# KiCad board MissionOrderFile.kicad_pcb (continued)
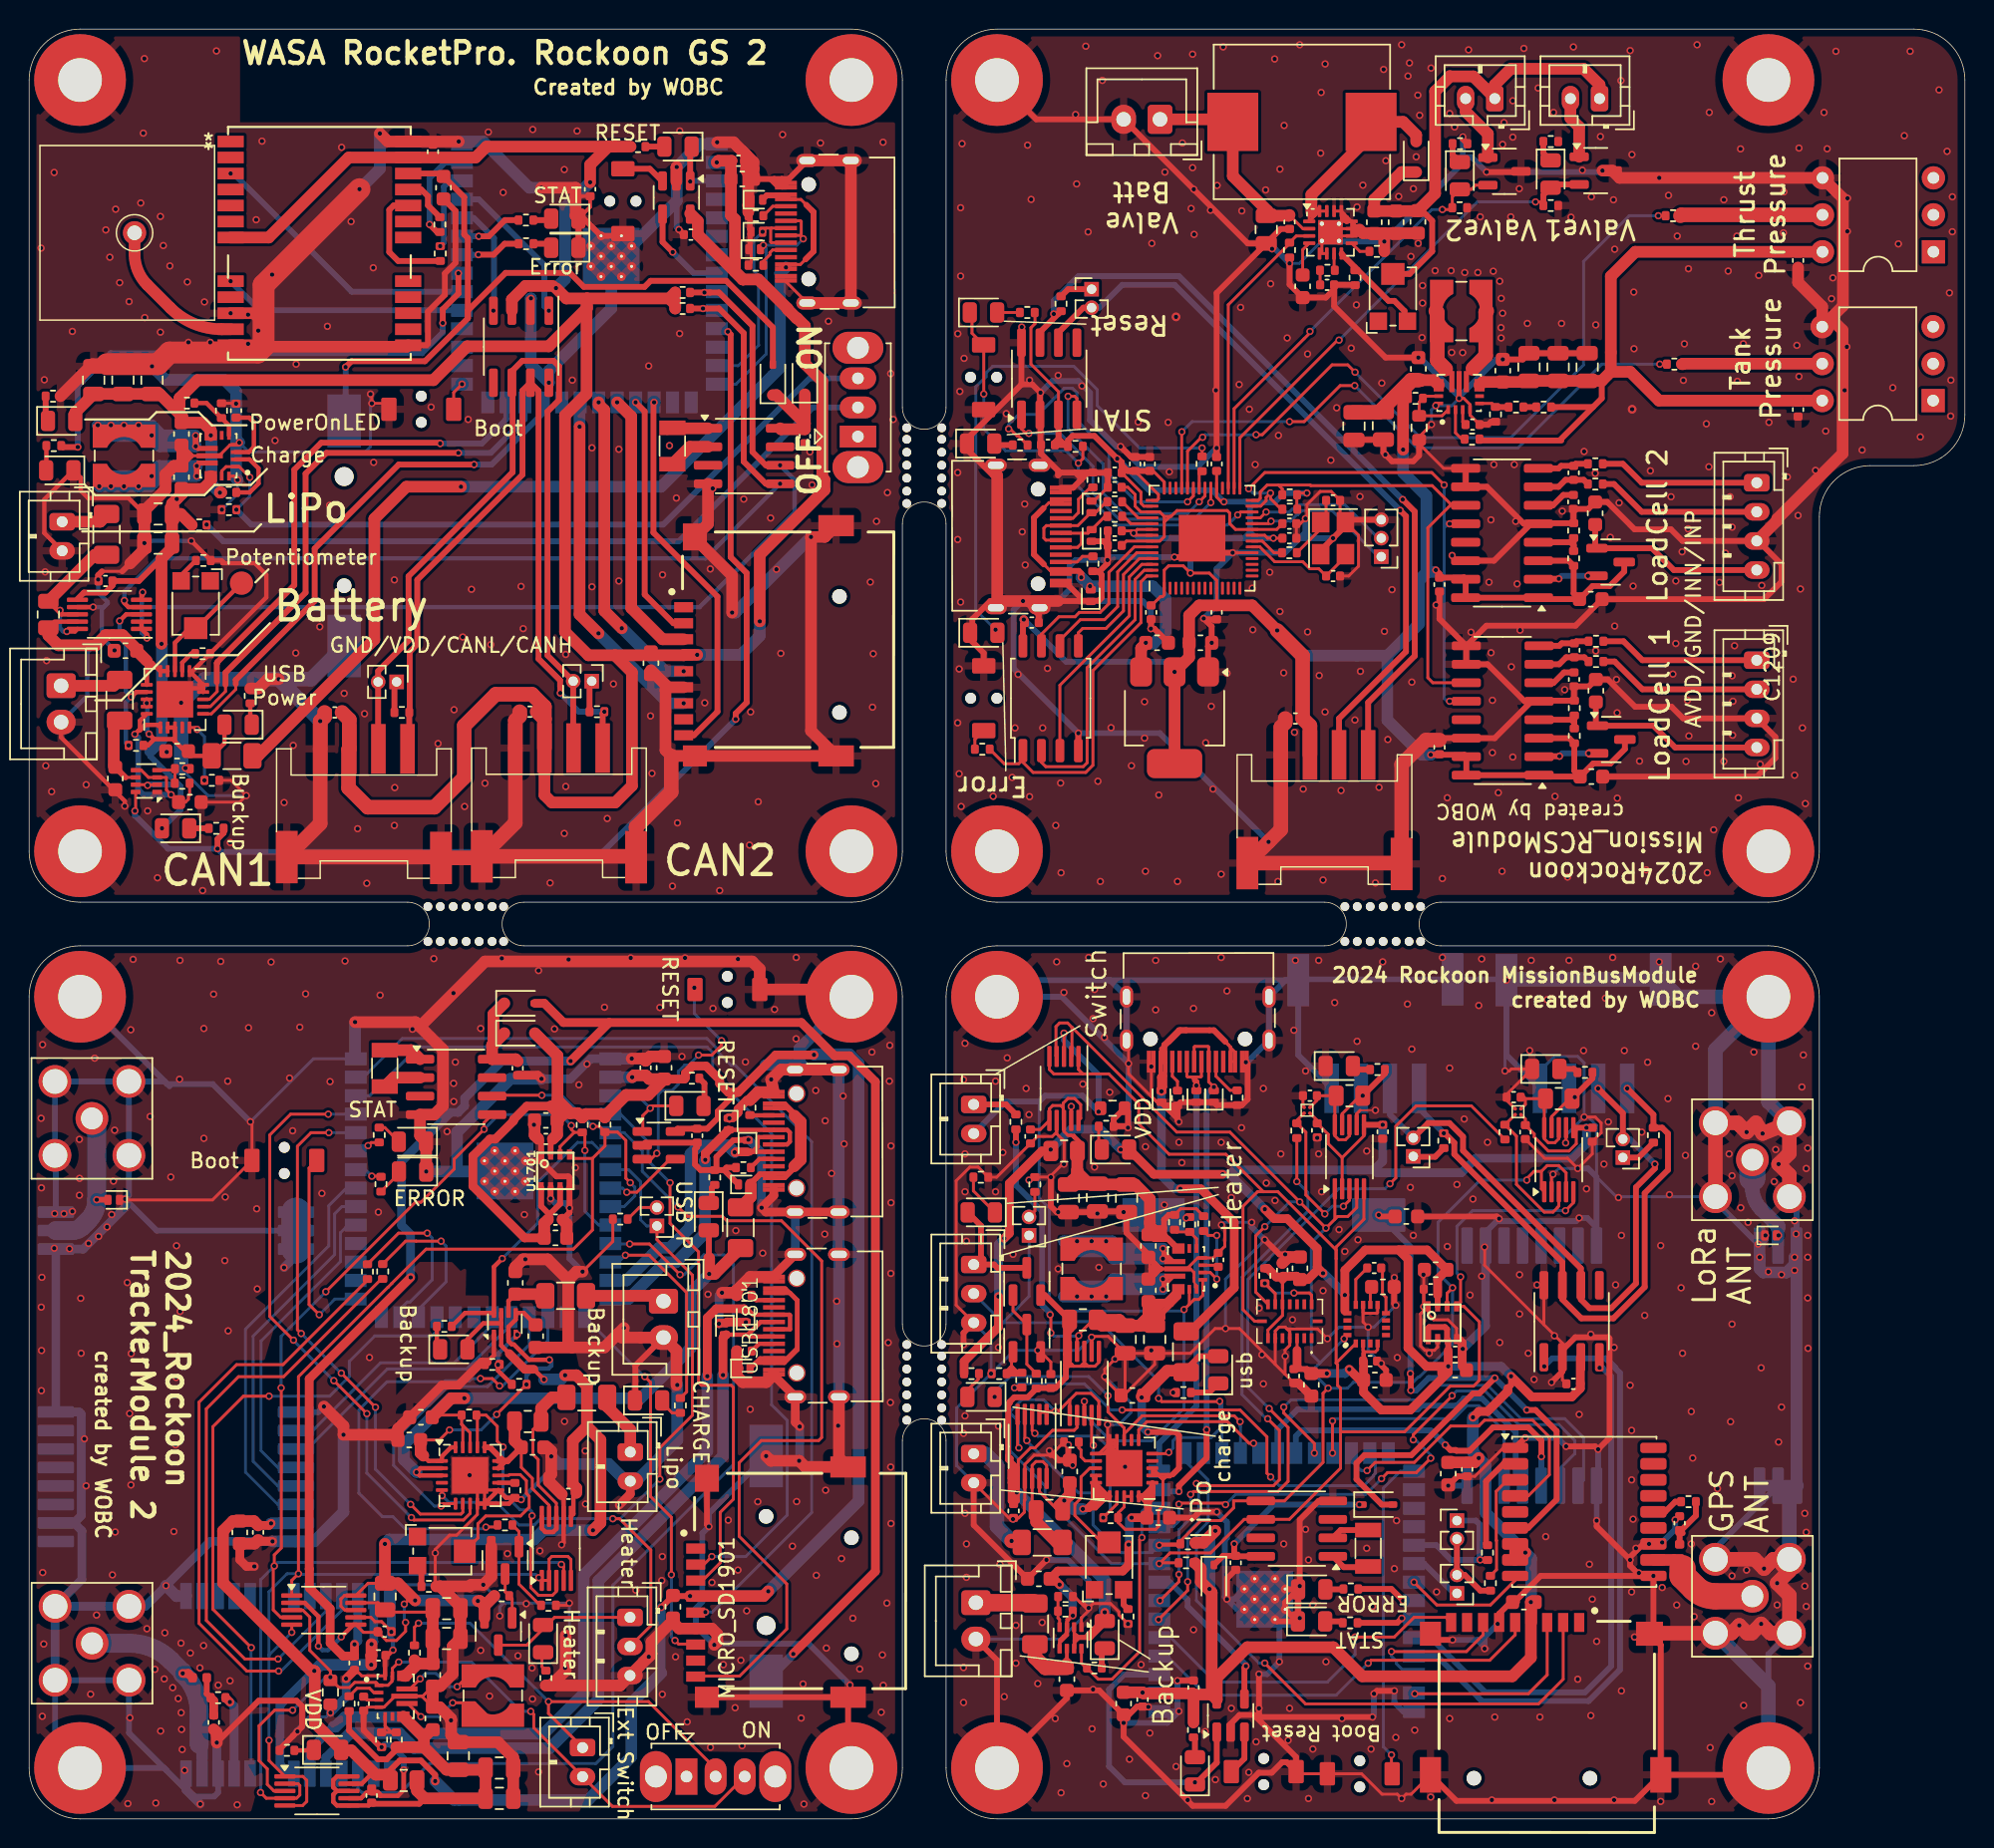
[diagram p0: board, top side]
## Routing (per net, layer and track width the routed paths; a pad name or vN(x,y) marks a point on that pad's centre or on a via; arc(x,y) is an arc through that point) (continued)
VBUS: length 66.8
  Top w0.2: 71.03,90.45 70.07,90.45 69.7,90.09 ; 82.55,53 USB2301.B9 ; 82.55,53 82.84,52.7 USB2301.A4 USB2301.B9 ; 82.55,53 82.55,53.04 ; USB2301.B9 82.55,53.04 ; 82.55,53.04 82.4,53.19 82.4,53.2 82.2,53.4 ; 82.55,53.04 81.39,54.2 81.1,54.2 ; v1(77.8,50) 78.09,50.3 78.09,51.99 USB2301.B4 ; 77.8,51 77.84,51 77.89,51.06 77.74,51.06 77.69,51.1 77.69,51.39 77.75,51.44 USB2301.A9 ; USB2301.A9 77.75,52.94 78,53.19 ; USB2301.A9 USB2301.B4 ; USB2301.B4 78.05,53.04 79.1,54.09 79.1,54.2 ; USB2301.B4 78.05,53.14 78.3,53.4 ; 71.26,85.77 70.17,85.77 69.72,86.22
  Top w0.4: 69.72,86.22 69.04,86.89 69.04,89.42 69.7,90.09 ; 78.3,53.4 79.1,54.2 79.5,54.2 ; v1(72.29,85.31) 72.29,85.59 72.11,85.77 71.31,85.77 71.26,85.72 ; 78,52.04 78,53.19 79,54.2 79.5,54.2 ; 79.5,54.2 81.4,54.2 82.2,53.4 ; v1(72.89,84.72) 72.89,84.47
  Top w0.6: v1(79.1,43.3) 80.5,43.3 82.8,41 82.8,36.5 79.8,33.5 F2801.1 79.4,33.6 ; v1(77.8,50) 77.8,50.96 77.89,51.06
  Top w0.8: 76.72,80.78 76.4,80.45 U801.3
  Bottom w0.4: 77.7,49.9 v1(77.8,50)
  Bottom w0.6: v1(79.1,43.3) 78.7,43.3 77.8,44.2 v1(77.8,50)
  Bottom w0.8: v1(76.72,80.83) 76.72,80.78 77.25,80.78 78.09,81.61 78.09,83.81 77.19,84.72 v1(72.89,84.72) v1(72.29,85.31)
VCCRF: length 5.5
  Top w0.6: v1(13.8,8.03) R1803.1
  Bottom w0.6: U1801.9 14.09,7.74 v1(13.8,8.03)
VDD: length 890
  Top w0.2: 101.4,18.9 U2601.7 ; v1(87.79,91.12) 87.24,91.12 87.1,90.97 87.1,90.02 ; 102.53,48.38 102.8,48.1 C2701.2 103.41,47.07 103.41,46.87 104.38,45.9 105.8,45.9 106.3,46.4 106.3,47.3 U2702.6 ; 96.78,36.39 C3003.1 ; U903.43 77.49,90.62 77.59,90.72 77.59,91.02 75.99,92.62 C908.1 ; C914.1 77.23,92.63 77.99,91.88 U903.42 ; 91.75,32.1 91.75,31.55 91.69,31.49 91.69,30.9 91.66,30.93 91.66,31.9 ; 91.75,32.1 91.66,32.01 ; 91.75,32.1 91.65,32.2 U3102.2 91.65,31.47 C3107.1 91.66,32.01 ; 91.75,32.1 92.5,32.1 92.65,32.25 U3102.4 ; C3101.1 87.22,30.92 ; C3101.1 87.11,31.13 ; C3101.1 86.9,31.08 87.11,31.3 ; U3102.13 90.4,34.92 ; C3102.1 86.11,37.22 86.11,36.5 ; 86.11,36.82 85.7,37.24 ; 86.11,36.82 86.11,36.5 ; 86.11,36.82 86.12,36.82 86.6,37.3 ; 91.69,31.43 91.74,31.48 91.74,31.82 91.66,31.9 ; C909.2 75.07,92.5 76.39,91.18 76.39,90.41 76.59,90.22 U903.44 ; 86.11,36.5 86.11,34.6 85.11,33.6 U3101.7 ; 91.66,32.01 91.66,31.9 ; C911.1 U903.33 81.59,90.84 81.92,90.52 v1(82.09,90.52) ; C912.1 U903.10 81.59,85.11 81.08,85.61 v1(79.79,85.61) 79.29,86.11 78.29,86.11 77.99,85.81 U903.1 77.99,84.11 77.87,84 77.72,84 77.19,83.46 77.19,83.39 ; U903.48 76.14,88.61 v1(75.89,88.36) ; 87.11,31.3 U3101.3 ; 87.11,31.3 87.81,30.61 C3103.1 ; 69.11,103.52 69.11,102.76 68.83,102.48 68.83,99.97 70.72,98.08 70.72,97.23 ; v1(75.89,88.36) 76.04,88.22 U903.49 ; v1(75.89,88.36) 75.74,88.52 C910.1 ; 39.56,48.42 R2105.1 ; U2402.2 90.21,45.44 ; 90.21,45.44 91.71,46.94 U2402.6 ; 90.21,45.44 89.26,46.39 89.26,47.04 C2401.2 88.5,48 88.03,48.47 ; C913.1 v1(85.49,88.02) 85.09,88.02 84.89,88.22 U903.22 ; v1(71.6,48.96) U2806.9
  Top w0.3: U1606.9 22.85,2.42 23.63,3.2
  Top w0.4: 70.72,94.85 70.72,96.5 U901.3 ; 70.72,94.85 71.16,94.41 71.38,94.41 ; 70.72,94.85 70.48,94.6 C901.2 70.49,94.41 71.38,94.41 ; 35.84,41.33 C1702.1 ; C1702.1 35.69,41.47 36.48,42.27 U1701.6 ; C1702.1 35.69,41.6 35.18,42.11 U1701.8 ; U1301.3 105.81,74.27 R1303.1 106.16,72.03 C1304.1 ; 75.07,93.23 C909.2 ; 75.07,93.23 74.82,93.48 v1(74.76,93.48) 73.2,95.05 71.69,95.05 71.38,94.73 71.38,94.41 ; 75.07,93.23 75.07,93.03 75.47,92.63 75.67,92.63 ; 48.62,49.93 47.31,48.63 47.31,48.16 46.58,47.43 44.56,47.43 44.36,47.24 ; 91.69,31.43 C3107.1 ; 94.6,98.03 C1203.1 ; 75.67,92.63 C908.1 ; 75.67,92.63 C914.1 ; 24.52,3.04 24.52,3.07 25.47,4.01 26.91,4.01 27.9,3.03 v2(27.9,2.6) ; U1701.2 35.83,46.58 C1703.1 ; U902.8 68.28,82.08 C902.2 68.41,82.36 v2(68.34,82.42) ; v1(93,47.7) 91.76,47.7 ; v1(101.82,30.42) 101.82,29.8 101.6,29.58 ; C1304.1 107.47,72.53 108.65,72.53 109.64,73.53 Q1301.3 ; C1304.1 103.84,71.63 U1301.1 U1301.16 U1301.15 98.62,73.13 v1(96.3,73.13) ; v1(107,47.5) 106.15,47.5 ; LED2805.2 v1(75,46) ; v1(43.43,14.53) 44.22,15.31 v1(45.41,15.31) ; C1404.1 107.42,84.72 108.6,84.72 109.59,85.72 Q1401.3 ; C1404.1 103.8,83.83 103.7,83.92 98.7,83.92 U1401.15 ; C1404.1 106.12,84.22 R1403.1 105.77,86.47 U1401.3 ; U1401.15 98.57,85.33 ; U1401.15 98.59,85.31 C1405.1 96.9,85.58 v1(96.65,85.83) ; 92.7,9.9 92.8,9.8 ; C3002.1 97.5,32.9 U3001.6 97.42,33.65 97.28,33.8 96.2,33.8 96.12,33.72 U3001.8 ; 96.78,35.22 96.78,36.39 ; C3101.1 87.8,30.92 C3103.1 ; 88.5,37.9 88.5,37.71 ; 106.58,31.69 106.62,31.72 ; R3101.2 84.96,37.83
  Top w0.6: LED2805.2 77.28,44.3 v1(82,44.3) ; v1(97.5,31.1) 97.5,30.7 94.9,28.1 92.9,28.1 91.69,29.31 C3108.1 ; v1(97.5,31.1) 96,31.1 94.74,32.36 94.74,38.46 94.1,39.1 94.5,39.1 ; v1(97.5,31.1) C3002.1 ; v1(53.92,52.51) 53.92,52.5 51.3,52.5 48.72,49.93 48.04,49.93 47.44,50.53 47.44,50.8 46.51,51.74 45.59,51.74 45.08,51.24 45.08,50.92 45.01,50.84 C2102.2 ; v1(66.6,35.9) 66.6,33.8 64.24,31.44 R2802.2 ; 94.5,39.1 91.8,39.1 90.4,37.7 v1(90.4,36) 90.4,34.92 ; 94.5,39.1 96.06,39.1 C3004.1 96.78,37.1 96.78,36 ; v1(88.9,37.5) 88.5,37.9 88.5,39.2 86.45,41.25 85.55,41.25 v1(84.9,41.9) ; 23.56,12.02 23.53,12.02 v1(23.52,12.01) ; R2821.2 69.58,45.9 67.34,43.67 67.34,40.25 v1(67,39.9) ; 87.11,31.13 87.11,32.2 ; v1(90.7,30.9) 91.44,30.16 C3108.1 ; C2002.1 16.48,20.17 v1(16.62,20.31) ; v1(101.82,30.42) 103.24,29 105.99,29 106.58,29.59 C2302.2 106.58,31.69 ; 91.69,31.43 C3108.1 ; 101.6,29.58 101.6,29.4 100.2,28 99.6,28 v1(99.2,27.6) ; C1704.1 34.05,39.93 30.49,43.48 30.49,45.55 31.66,46.72 32.03,46.72 33.28,47.97 33.28,48.07 34.2,48.98 35.88,48.98 ; v1(89.16,30.61) C3103.1 ; 84.96,37.83 85.1,37.83 85.7,37.24 C3102.1 86.16,37.3 87.08,37.3 C3104.1 87.86,37.06 88.5,37.71
  Top w0.8: v1(36.2,105.2) 36.91,104.49 38.33,104.49 ; C2002.1 15.44,20.47 C2001.1 14,20.47 13.33,19.79 13.33,16.22 19.38,10.17 v1(19.59,10.17) 19.62,10.14 19.62,6.59 21.51,4.71 22.14,4.71 23.81,3.04 24.52,3.04 24.82,2.74 R1621.2 ; 38.33,104.49 38.33,103.83 35.7,101.2 30.1,101.2 27.77,98.88 11.57,98.88 10.34,97.64 R615.2 10.34,96.56 ; 38.33,104.49 43.98,104.49 ; 38.33,104.49 38.3,104.45 38.3,97.93 36.82,96.45 36.82,81.58 38.43,79.97 40.25,79.97 ; R203.1 40.22,114.92 ; 40.22,114.92 31.43,114.92 30.68,114.17 21.96,114.17 16.46,108.67 U301.7 ; 40.22,114.92 39.8,114.92 38.55,113.67 v1(38.55,112.47) ; C1704.1 35.39,40.93 35.64,41.18 ; 49.08,105.8 49.03,105.8 45.94,108.88 45.94,109.8 45.42,110.33 ; 49.08,105.8 49.04,105.8 48.5,106.34 48.5,109.92 48.22,110.2 C203.2 48.22,113.91 C204.1 47.36,113.95 v1(47.25,113.84) ; 49.08,105.8 50.11,105.8 52.11,103.79 52.11,103.75 52.73,103.13 52.77,103.13 53.3,102.6 D702.2 54.5,98.81 54.5,92.18 54.64,92.03 54.64,91.32 50.2,86.88 v2(50.2,82.3) ; 94.6,98.03 94.4,97.83 v1(94.4,94.1) ; v1(85.75,81.67) 84.03,83.39 C912.1 80.39,83.39 79.7,82.7 C802.1 79.7,79.83 v2(78.7,78.83) U801.2 ; v2(45.9,80) 45,80 MICRO_SD701.4 40.25,79.97 ; 81.25,8.55 81.6,8.2 81.6,9.7 83.7,11.8 89.6,11.8 91.6,9.8 101.9,9.8 103.18,11.08 v1(103.18,14.9) 103.2,14.88 MICRO_SD2501.4 ; 81.25,8.55 C2301.2 ; 81.25,8.55 81.25,15.55 80.5,16.3 80.5,17.2 80.12,17.58 ; C1203.1 96.5,98.88 U1201.12_13 ; 10.34,96.56 10.52,96.38 10.52,95.95 11.96,95.95 12.48,95.43 v1(12.48,95.08) ; 10.34,96.56 8.98,97.92 C611.1 3.17,96.66 LED604.2 ; C1701.1 36.78,48.5 37.2,48.5 ; C1701.1 36.28,48.58 35.88,48.98 ; C1701.1 36.28,47.03 C1703.1 ; C2303.2 76.48,8.7 v1(76.5,8.68) 76.55,8.63 79.92,8.63 C2301.2 ; U2601.7 U2601.8 102.6,18.3 v1(102.8,18.3) ; v1(13.11,91.14) 13.13,91.16 R613.1 ; v1(99.6,24.8) 99.3,24.5 C2902.1 C2901.1 ; J502.3 35.41,70.36 35.92,69.85 40.27,69.85 41.42,71 41.42,78.79 40.25,79.97 ; 37.2,48.5 37.69,48.5 38,48.2 R2107.1 38.25,48.44 39.31,48.44 39.53,48.22 R2105.1 39.56,48.3 41.02,49.75 42.53,49.75 C2102.2 42.61,50.84 42.36,51.1 41.56,51.1 v1(41.43,50.97) ; 37.2,48.5 36.31,49.39 36.31,52.44 D1902.2 ; v1(23.52,12.01) 23.52,11.24 23.51,11.22 v1(23.51,10.59) ; 43.98,104.49 44.39,104.08 R207.1 R205.1 43.98,104.49 ; U202.3 33.17,104.42 34.1,105.35 35.97,105.35 ; C2301.2 R2303.1 ; v1(45.41,15.31) 50.46,15.31 v1(50.78,15.64) ; v1(81.5,19.8) 80.68,18.98 80.12,18.98
  Top w1: J1002.3 88,75.12 87.5,75.62 87.5,79.92 v1(85.75,81.67) ; 91.03,96.66 92.74,96.66 94.95,98.88 C1203.1 ; 21.5,76.04 22,75.54 J402.3 21.95,73.48 21.95,70.85 23.27,69.53 27.84,69.53 29.9,71.58 29.9,75.12 32.06,77.29 34.56,77.29 35.41,76.44 35.41,75.59 ; 35.41,75.59 34.91,76.09 ; 35.41,75.59 J502.3
  Bottom w0.2: v1(71.6,48.96) 71.6,47.41 71.59,47.4
  Bottom w0.3: 19.69,10.26 v1(19.59,10.17)
  Bottom w0.4: v1(85.49,88.02) 84.29,88.02 ; 84.29,88.02 83.89,88.42 ; 84.29,88.02 83.19,88.02 ; 78.79,88.02 79.39,88.02 79.79,87.61 ; 78.79,88.02 76.24,88.02 v1(75.89,88.36) 75.84,88.31 ; 78.79,88.02 80.19,88.02 ; 83.89,90.22 84.19,90.52 ; 83.89,90.22 83.89,88.42 ; 83.89,90.22 83.59,90.52 ; 84.19,90.52 84.24,90.47 85.56,90.47 86.21,91.12 v1(87.79,91.12) ; 84.19,90.52 83.59,90.52 ; 83.89,88.42 83.49,88.02 83.19,88.02 ; 79.79,87.61 v1(79.79,85.61) ; 79.79,87.61 80.19,88.02 ; 83.19,88.02 80.19,88.02 ; v1(90.4,36) 90.4,36.05 ; 83.59,90.52 v1(82.09,90.52) 81.29,91.31 76.93,91.31 v1(74.76,93.48) ; v2(78.7,78.83) 78,79.53 71.24,79.53 v2(68.34,82.42)
  Bottom w0.6: 92.4,44.6 82.8,44.6 82.5,44.3 ; 92.4,44.6 93,45.2 v1(93,47.7) ; 92.4,44.6 92.6,44.4 98.4,44.4 99.4,45.4 106,45.4 107,46.4 v1(107,47.5) ; v1(66.6,35.9) 66.6,39.5 v1(67,39.9) ; v1(23.52,12.01) 23.69,12.17 U1801.23 ; 90.4,36.05 88.95,37.5 v1(88.9,37.5) ; v1(43.43,14.53) 43.42,14.52 43.42,10.04 43.44,10.03 ; 82.5,44.3 v1(82,44.3) ; 82.5,44.3 v1(84.9,41.9) ; v1(89.16,30.61) 90.41,30.61 v1(90.7,30.9) ; v1(70.19,46) 71.59,47.4 73.6,47.4 v1(75,46) ; U1801.7 17.86,3.11 17.23,3.74 17.23,7.81 v1(19.59,10.17) ; v1(101.82,30.42) 101.14,31.1 v1(97.5,31.1)
  Bottom w0.8: v1(53.92,52.51) 53.96,52.55 56.36,52.55 56.99,51.91 56.99,21.84 v1(50.78,15.64) ; v1(96.3,73.13) 95.69,73.13 93.32,75.5 93.32,79.94 ; v1(41.43,50.97) U2102.2 ; v1(12.48,95.08) 12.52,95.04 12.52,91.73 v1(13.11,91.14) ; v2(50.2,82.3) 50.2,81.3 48.9,80 v2(45.9,80) ; v1(23.51,10.59) 20.02,10.59 v1(19.59,10.17) ; U2303.2 76.53,8.65 v1(76.5,8.68) ; v1(36.2,105.2) 36.82,105.82 36.82,110.75 v1(38.55,112.47) ; 95.7,85.33 96.07,85.69 96.52,85.69 ; 95.7,85.33 96,85.62 96,90.92 94.4,92.53 v1(94.4,94.1) ; 95.7,85.33 95.5,85.12 95.5,82.12 93.32,79.94 ; v1(85.75,81.67) 87.48,79.94 93.32,79.94 ; v1(103.18,14.9) 103.2,14.92 103.2,17.9 v1(102.8,18.3) 100.07,21.03 U2901.10 100.07,24.33 v1(99.6,24.8) 99.2,25.2 v1(99.2,27.6) ; 81.2,15.7 v1(81.1,15.8) 81.1,19.4 v1(81.5,19.8) ; 43.44,10.03 41.36,7.96 41.36,4.26 38.41,1.3 29.2,1.3 v2(27.9,2.6) ; U2001.10 18.3,20.31 v1(16.62,20.31)
(no net):
  vias: v1(44,94.38)
/GS/CLK: length 21.7
  Top w0.8: v1(39.13,97.35) 39.13,97.21 39.52,96.82 39.52,83.03 v1(40.72,81.83)
  Bottom w0.8: v1(40.72,81.83) 40.75,81.83 43.7,78.87 v1(44.97,78.87)
/GS/DET: length 26.1
  Top w0.4: MICRO_SD701.CD1 45.67,74.47 47.3,76.09 47.3,84 42.89,88.4 42.89,97.31 v1(42.94,97.35)
/GS/ESP32/CAN_RX: length 7.8
  Bottom w0.4: v1(31.9,103.65) 31.94,103.69 31.94,108.63 30.55,110.03 29.75,110.03 29.74,110.03
/GS/ESP32/CAN_TX: length 10.8
  Bottom w0.4: v1(35.71,103.65) 35.4,103.96 35.4,106.8 30.9,111.3 29.74,111.3
/GS/ESP32/CANH: length 56.9
  Top w0.4: v1(39.53,76.09) 39.41,75.97 J502.1 ; J402.1 26.12,73.66 R401.2 26.15,76.07 26.15,80.21 26.67,80.73 26.67,85.15 33.9,92.38 33.9,98.16 U202.7 35,98.14 35,79.73 36.48,78.24 36.48,77.82 36.5,77.81 v1(36.5,77.38)
  Bottom w0.4: v1(36.5,77.38) 37.78,76.09 v1(39.53,76.09)
/GS/ESP32/CANL: length 60.8
  Top w0.4: J402.2 23.98,73.56 J401.2 23.98,78.89 26.07,80.97 26.07,85.4 33.22,92.55 33.22,99.54 33.88,100.2 36.03,100.2 36.41,99.82 36.41,97.51 35.62,96.72 35.62,79.95 J501.2 37.39,73.61 J502.2
/GS/ESP32/GPIO1/ADC1_CH0: length 6.8
  Top w0.4: v1(27.51,109.58) 28.03,109.06 R301.1
  Bottom w0.4: v1(27.51,109.58) 27.51,112.76 28.59,113.84 29.74,113.84
/GS/ESP32/GPIO2/ADC1_CH1: length 5.6
  Bottom w0.4: 29.74,112.57 28.89,112.57 28.49,112.17 28.49,108.34 v1(28.24,108.09)
/GS/ESP32/GPIO18: length 77.7
  Top w0.2: v1(7.27,69.28) 7.32,69.32 U602.8
  Top w0.4: R608.2 13.37,67.76 12.95,67.34 v1(12.95,66.67) ; v1(48.55,75.58) 48.55,75.97 49.3,76.72 49.3,85.61 48.2,86.71 48.2,102.01 v1(48.01,102.21)
  Bottom w0.4: 47.21,102.38 U203.11 47.8,102.41 v1(48.01,102.21) ; v1(48.55,75.58) 39.42,66.45 13.17,66.45 v1(12.95,66.67) 9.55,66.67 7.27,68.95 v1(7.27,69.28)
/GS/ESP32/GPIO38: length 16.7
  Bottom w0.4: 29.74,103.68 15.84,103.68 v1(13.84,105.67)
/GS/ESP32/GPIO39: length 19.3
  Bottom w0.4: 29.74,104.95 22.17,104.95 14.05,113.08 v1(13.84,113.08)
/GS/ESP32/GPIO40: length 36.7
  Top w0.4: R610.2 2.3,94.28 v1(3.34,94.28) ; v1(28.42,102.8) 28.42,103.75 29.49,104.83 v1(29.49,106.22)
  Bottom w0.4: v1(3.34,94.28) 3.34,98.47 5.59,100.72 26.99,100.72 28.42,102.15 v1(28.42,102.8) ; v1(29.49,106.22) 29.74,106.22
/GS/ESP32/USB_D+: length 18.3
  Top w0.2: v1(53.19,108.59) 53.19,108.64 53,108.83 ; 53,108.83 USB201.A6 ; 53,108.83 53.05,108.88 53.05,109.78 53,109.83 USB201.B6 ; 50.45,107.98 50.45,107.98 v1(50.45,108.15)
  Bottom w0.2: U203.14 48.57,98.6 50.64,100.67 50.64,107.95 v1(50.45,108.15) 52.75,108.15 v1(53.19,108.59)
/GS/ESP32/USB_D-: length 15.4
  Top w0.2: v1(50.39,109.08) 50.64,109.33 51,109.33 ; USB201.A7 51,109.33 ; 51,109.33 50.95,109.28 50.95,108.38 51,108.33 USB201.B7
  Bottom w0.2: U203.13 48.72,99.87 50.12,101.28 50.12,106.05 49.8,106.38 49.8,108.47 v1(50.39,109.08)
/GS/ESP32/VUSB: length 69.3
  Top w0.2: USB201.A9 52.33,111.29 53.03,111.29 53.39,110.92 ; 53.34,107.17 53,106.83 USB201.B9 51.7,106.53
  Top w0.3: v1(52,106.63) 51.9,106.53 51.7,106.53
  Top w0.4: 52,111.58 50.68,111.58 50.38,111.28 ; 53.34,107.17 53.89,107.72 53.89,110.42 ; 53.39,110.92 53.89,110.42 ; 53.89,110.42 53.77,110.55
  Top w0.8: F601.1 15.73,73.06 23.72,81.05 23.72,89.35 25.92,91.55 v1(29.67,91.55)
  Bottom w0.3: 52.02,106.61 v1(52,106.63)
  Bottom w0.8: v1(52,106.63) 51.6,106.23 51.6,99.73 43.42,91.55 v1(29.67,91.55)
/GS/ESP32/WDI: length 6.6
  Top w0.4: 43.52,110.33 43.52,108.38 v1(44.22,107.67)
  Bottom w0.4: v1(44.22,107.67) 45.67,106.22 U203.8
/GS/MISO: length 24.3
  Top w0.8: v1(37.82,95.67) 37.82,82.78 v1(39.12,81.47)
  Bottom w0.8: v1(39.12,81.47) 43.93,76.67 v1(44.97,76.67) ; U203.21 37.82,97.31 v1(37.82,95.67)
/GS/MOSI: length 19
  Top w0.8: v1(40.4,97.35) 41.37,96.38 41.37,83.22 43.52,81.07 MICRO_SD701.3
/GS/PG: length 35.1
  Top w0.2: 14.2,78 14.2,77.62 12.52,75.94 U601.6
  Top w0.4: 14.2,78 14.2,78.28 19.62,83.7 19.62,87.3 25.4,93.08 v1(30.57,93.08)
  Bottom w0.4: v1(30.57,93.08) 31.77,93.08 35.32,96.62 U203.23
/GS/SCL: length 73.8
  Top w0.3: v1(8.09,81.16) 8.09,81.41 U604.1 U604.2 ; 7.74,84.03 7.8,84.08 ; U604.5 7.72,84.22 v1(7.8,84.3)
  Top w0.4: 46.8,104.9 47.4,104.9 49.7,102.6 49.7,93.95 50.62,93.03 v1(51.59,93.03) ; 46.8,104.9 v1(46.4,104.9) ; 46.8,104.9 R205.2
  Bottom w0.2: v1(46.4,104.9) 47,104.9 47.03,104.92
  Bottom w0.3: 48.88,86.09 46.07,83.28 7.74,83.28 ; v1(51.59,93.03) 52.59,92.03 52.59,89.8 48.77,85.97 ; v1(7.8,84.3) 7.74,84.25 7.74,83.28 ; 7.74,83.28 7.74,81.5 v1(8.09,81.16)
/GS/SDA: length 67.5
  Top w0.3: v1(6.55,83.73) 6.55,83.55 6.82,83.28 U604.4
  Top w0.4: R207.2 v1(46.3,103.8) 47.4,103.8 49.1,102.1 49.1,93.28 50.62,91.75 v1(51.59,91.75)
  Bottom w0.2: v1(46.3,103.8) 47.12,103.8 U203.10
  Bottom w0.3: v1(6.55,83.73) 6.55,84.35 8.82,86.62 46.47,86.62 v1(51.59,91.75)
/GS/SS: length 17
  Top w0.4: MICRO_SD701.2 44.27,82.17 42.3,84.14 42.3,96.72 v1(41.67,97.35)
/GS/STAT1: length 35.8
  Top w0.2: 12.92,78.12 12.92,77.48 12.38,76.94 U601.8
  Top w0.4: v1(28.24,94.53) 28.2,94.58 20.07,94.58 18.22,92.72 18.22,84.79 12.95,79.51 12.95,79.47 12.9,79.42 12.9,78.12
  Bottom w0.4: U203.25 32.78,96.2 31.1,94.53 v1(28.24,94.53)
/GS/STAT2: length 37
  Top w0.2: U601.7 12.45,76.44 13.49,77.49 13.49,77.95
  Top w0.4: v1(29.49,93.88) 20.42,93.88 18.99,92.45 18.99,84.28 13.49,78.78 13.49,77.95
  Bottom w0.4: v1(29.49,93.88) 31.73,93.88 34.05,96.2 U203.24
/MissionBus/CANH: length 41.5
  Top w0.4: v1(109.8,50.2) 111.6,48.4 R2704.2 112.2,47.5 112.6,47.1 112.6,44.6 111,43 111,36.55 108.85,34.4 106.65,34.4 105.34,35.7 U2302.7 105.34,38.25 97.92,45.68 97.92,46.46 97.26,47.12 v1(97.2,47.12)
  Bottom w0.4: v1(97.2,47.12) 95.5,48.82 J2402.1
/MissionBus/CANL: length 43.4
  Top w0.4: J2701.2 109.5,48.5 v1(107.8,50.2) ; J2401.2 96.12,47.82 97.58,47.82 98.52,46.88 98.52,45.93 106.62,37.83 106.62,35.7 107.22,35.1 108.7,35.1 110.4,36.8 110.4,43.4 111.7,44.7 v1(111.7,45)
  Bottom w0.4: v1(111.7,45) 109.98,46.72 J2701.2 ; J2402.2 93.5,48.4 J2401.2
/MissionBus/ESPCore/CAN_RX: length 37.5
  Top w0.4: 107.88,31.72 107.88,31.02 v1(107.9,31)
  Bottom w0.4: U2303.36 96.3,12.46 100.06,8.7 106.9,8.7 108.7,10.5 108.7,30.4 108.1,31 v1(107.9,31)
/MissionBus/ESPCore/CAN_TX: length 44.2
  Top w0.4: 104.07,31.72 104.07,31.12 v1(104.1,31.1)
  Bottom w0.4: 108.35,31.65 109,31 ; 108.35,31.65 108.3,31.65 109.3,30.65 109.3,10.25 107.15,8.1 99.81,8.1 96.72,11.19 U2303.37 ; 108.35,31.65 104.65,31.65 v1(104.1,31.1)
/MissionBus/ESPCore/GPIO1/ADC1_CH0: length 13.3
  Top w0.2: MICRO_SD2501.3 104.3,9.9 103,8.6 v1(95.2,8.6)
  Bottom w0.2: v1(95.2,8.6) U2303.39
/MissionBus/ESPCore/GPIO2/ADC1_CH1: length 10.1
  Top w0.2: v1(93.6,11.5) 98.75,11.5 99.9,12.65 MICRO_SD2501.7
  Bottom w0.2: v1(93.6,11.5) 93.6,11.18 93.95,10.83 93.95,10.65 94.68,9.92 U2303.38
/MissionBus/ESPCore/GPIO3/ADC1_CH2: length 44
  Top w0.2: v1(84.9,10.71) 84.9,10.7 87.7,7.9 103.7,7.9 105.4,9.6 MICRO_SD2501.2
  Bottom w0.2: v1(84.9,10.71) 84.49,10.71 80.2,15 80.2,19.6 81.01,20.41 81.01,23.29 80.21,24.09 79.94,24.09 79.42,24.61 U2303.15
/MissionBus/ESPCore/GPIO4/ADC1_CH3: length 28.1
  Top w0.2: v1(92,10.7) 92.2,10.9 100.35,10.9 102.1,12.65 MICRO_SD2501.5
  Bottom w0.2: v1(92,10.7) 89.8,8.5 80.87,8.5 78.18,11.19 U2303.4
/MissionBus/ESPCore/GPIO5/ADC1_CH4: length 24
  Top w0.2: v1(91.1,12.5) 93.8,12.5 95.15,13.85 97.35,13.85 MICRO_SD2501.CD1
  Bottom w0.2: v1(91.1,12.5) 91.1,11.3 89.2,9.4 81.5,9.4 78.44,12.46 U2303.5
/MissionBus/ESPCore/GPIO6/ADC1_CH5: length 43.3
  Top w0.2: v1(87.1,43.8) R2401.1 ; v1(80.2,23.05) 80.35,22.9 85.5,22.9 85.9,23.3 85.9,26.7 v1(85.1,27.5) ; v1(77.6,13.7) 79.6,15.7 v1(79.6,16.3)
  Bottom w0.2: v1(87.1,43.8) 87.85,43.05 87.85,41.75 83.33,37.23 83.33,29.17 85,27.5 v1(85.1,27.5) ; v1(79.6,16.3) 79.6,19.67 80.35,20.42 80.35,22.9 v1(80.2,23.05) ; v1(77.6,13.7) 77.62,13.7 U2303.6
/MissionBus/ESPCore/GPIO7/ADC1_CH6: length 56
  Top w0.2: R2701.1 99.09,49 95.3,49 93.9,47.6 93.9,44.05 v1(93.5,43.65) ; v1(77.7,15) 79,16.3 v1(79,16.8) ; v1(85.2,28.2) 86.5,26.9 86.5,23.2 85.8,22.5 80,22.5 v1(79.8,22.3)
  Bottom w0.2: v1(79,16.8) 79,19.87 79.8,20.67 v1(79.8,22.3) ; v1(85.2,28.2) 83.73,29.67 83.73,37.07 89.97,43.3 93.15,43.3 v1(93.5,43.65) ; v1(77.7,15) U2303.7
/MissionBus/ESPCore/GPIO8/ADC1_CH7: length 17.2
  Top w0.2: U2802.8 72.3,10.7 72.63,10.37 R2809.2 73.45,9.6 74.4,9.6 76.3,11.5 76.3,19.18 v1(76.46,19.33)
  Bottom w0.2: v1(76.46,19.33) 76.46,21.11 76.7,21.35 U2303.12
/MissionBus/ESPCore/GPIO9/ADC1_CH8: length 38.8
  Top w0.2: v1(78.3,25.19) 78.21,25.1 U2801.5 ; 64.9,36.2 J2802.2 ; v1(81.8,28.7) 81.78,28.68 77.82,28.68 v1(77.6,28.9) ; J2804.1 68.7,40
  Bottom w0.2: v1(78.3,25.19) 78.6,25.49 78.6,26 78.8,26.2 81.2,26.2 81.8,26.8 v1(81.8,28.7) 81.95,28.55 U2303.17 ; J2804.1 68.7,35.9 66.9,34.1 ; 66.9,34.1 70.98,34.1 71.05,34.17 73.53,34.17 77.6,30.1 v1(77.6,28.9) ; 66.9,34.1 J2802.2
/MissionBus/ESPCore/GPIO10/ADC1_CH9: length 23.4
  Top w0.2: 75.24,26.46 76.47,27.7 82.8,27.7 v1(83.2,27.3) ; 75.24,26.46 U2801.8 ; 75.24,26.46 75.24,26.86 74.12,27.97 v1(74.12,29.08)
  Bottom w0.2: v1(83.2,27.3) 83.2,27 83.22,26.97 83.22,25.14 ; v1(74.12,29.08) 72.8,30.4 67.4,30.4 66.34,29.34 v1(66.34,29)
/MissionBus/ESPCore/GPIO11: length 9.4
  Top w0.2: v1(84.13,25.82) 83.82,25.82 82.33,27.3 76.8,27.3 76.24,26.74 U2801.6
/MissionBus/ESPCore/GPIO14: length 30.2
  Top w0.2: v1(88.31,25.14) 88.31,25.8 86.2,27.9 v1(86.2,28.3)
  Bottom w0.2: U2901.5 106.8,23.28 106.8,26.2 105.5,27.5 102.5,27.5 100.2,29.8 96.36,29.8 95.36,28.8 86.7,28.8 v1(86.2,28.3)
/MissionBus/ESPCore/GPIO18: length 40.8
  Top w0.2: v1(82.2,21.6) 82.1,21.7 79.08,21.7 v1(79,21.62) ; v1(96.3,24.79) 95.31,23.8 93.33,23.8 v1(92.92,23.38) ; v1(95.1,26.05) 95.1,26.4 97.76,29.06 v1(97.76,29.09)
  Bottom w0.2: v1(95.1,26.05) 95.25,26.05 96.3,25 v1(96.3,24.79) ; v1(82.2,21.6) 82.9,22.3 91.83,22.3 v1(92.92,23.38) ; v1(97.76,29.09) 98.08,29.4 100.03,29.4 102.33,27.1 105.1,27.1 106.2,26 106.2,25.1 105.15,24.05 U2901.6 ; U2303.11 78.6,20.08 79,20.48 v1(79,21.62)
/MissionBus/ESPCore/GPIO21: length 18.9
  Top w0.2: v1(89.55,27.35) v1(89.55,25.14)
  Bottom w0.2: v1(89.55,27.35) 89.7,27.5 97.89,27.5 98.79,28.4 99.6,28.4 101.34,26.66 U2901.9
/MissionBus/ESPCore/GPIO40: length 8.6
  Top w0.2: U2601.9 102.1,16.4 100.4,14.7 96.72,14.7 v1(95.15,16.27)
/MissionBus/ESPCore/GPIO47: length 21.9
  Top w0.2: U2601.4 103,22.2 104.45,23.65 104.45,26.25 103.3,27.4 100,27.4 99.6,27 97.68,27 95.18,24.5 92.48,24.5 v1(91.92,23.94)
  Bottom w0.2: U2303.24 90.84,24.61 91.52,23.94 v1(91.92,23.94)
/MissionBus/ESPCore/GPIO48: length 31.7
  Top w0.2: v1(67.7,29.62) 67.73,29.59 68.2,29.59 ; v1(85.3,23.5) 85.05,23.75 85.05,26.25 83.2,28.1 v1(75.1,28.1)
  Bottom w0.2: v1(67.7,29.62) 67.98,29.9 72.5,29.9 74.3,28.1 v1(75.1,28.1) ; v1(85.3,23.5) 85.9,22.9 91.7,22.9 92.37,23.57 92.37,23.61 92.5,23.75 92.5,24.75 U2303.25
/MissionBus/ESPCore/USB_D+: length 32.1
  Top w0.2: 80.1,50.99 80.1,50.75 79.86,50.99 79.7,50.99 ; 80.1,50.99 80.5,50.99 80.55,51.04 USB2301.A6 ; 80.1,50.99 79.7,50.99 ; USB2301.B6 79.55,51.04 79.59,50.99 79.7,50.99
  Top w0.4: 80.1,50.75 80.2,50.65 v1(80.2,50.4) 80.2,50
  Bottom w0.4: U2303.14 77.65,25.82 80.2,28.37 v1(80.2,50.4)
/MissionBus/ESPCore/USB_D-: length 35.4
  Top w0.2: v1(81.4,50.3) 81.05,50.66 USB2301.B7 81.05,53.04 81,53.09 80.09,53.09 80.05,53.04 USB2301.A7
  Top w0.4: v1(81.4,50.3) 81.4,50 ; v1(79,22.5) 79,22.9 80.9,24.8 v1(80.9,26.75)
  Bottom w0.4: U2303.13 77.77,22.5 v1(79,22.5) ; v1(81.4,50.3) 80.9,49.8 v1(80.9,26.75)
/MissionBus/ESPCore/WDI: length 11
  Top w0.4: 83.5,8.2 83.5,10.4 v1(83.6,10.5)
  Bottom w0.4: v1(83.6,10.5) 83.6,10.6 79.6,14.6 79.6,15.05 78.38,16.27 U2303.8
/MissionBus/GPS_RTX: length 9.6
  Top w0.4: 100.3,17.79 99.71,17.79 v1(99.7,17.8)
  Bottom w0.4: 98.2,20.5 99.4,20.5 99.65,20.25 99.65,17.85 v1(99.7,17.8) 97.7,17.8 96.69,18.81 U2303.31
/MissionBus/GPS_TRX: length 3.9
  Bottom w0.4: U2303.32 95.85,17.54 97.89,15.5 98.2,15.5
/MissionBus/LiPo/PROG: length 7.2
  Top w0.2: RV2801.2 73.7,19 71.85,20.85 71.85,21.62 72.28,22.05 72.28,23.5 72.87,24.1 U2801.13
/MissionBus/LoRa_RTX: length 23.7
  Bottom w0.4: U2303.20 85.77,26.77 87.15,28.15 95.42,28.15 95.67,28.4 98.08,28.4 98.58,28.9 99.83,28.9 102.14,26.59 102.14,23.37 U2901.8
/MissionBus/LoRa_TRX: length 22.9
  Top w0.4: v1(97.3,25.7) 97.65,25.35 98.02,25.35 98.07,25.3 98.97,25.3 100.57,26.9 103,26.9 103.9,26 v1(103.9,24.9)
  Bottom w0.4: U2303.21 87.03,26.3 87.43,26.7 96.3,26.7 v1(97.3,25.7) ; v1(103.9,24.9) 103.9,22.92 U2901.7
/MissionBus/SCL: length 142.5
  Top w0.2: 84.8,43.1 85.8,43.1 89.8,39.1 89.8,38.5 ; 84.8,43.1 84.4,43.1 83.4,42.1 83.4,35 84.2,34.2 U3101.8 ; 84.8,43.1 82.22,45.67 78.33,45.67 76.24,47.76 76.24,49.14 74.18,51.2 72.4,51.2 ; 89.8,31.33 89.8,38.5 ; 89.8,31.33 U3102.1 ; 89.8,31.33 89.9,31.22 89.9,29.8 90.1,29.6 90.1,26.9 ; 89.8,38.5 89.8,39.3 91.71,41.21 U2402.5 ; 71.46,28.76 71.94,29.24 72.96,29.24 73.5,28.7 U2803.5 ; 71.46,28.76 71.5,28.72 U2803.1 ; 71.46,28.76 70.7,28 v1(70.5,28) 69.97,28 69.91,27.94 69.41,27.94 ; 90.1,26.9 90.1,26.6 94.5,26.6 97.64,29.74 99.24,29.74 99.64,30.14 99.64,34.16 98.57,35.22 U3001.4 98.35,35.5 v1(98.35,37.25) ; 90.1,26.9 90.1,24.1 86.58,20.59 83.48,20.59 81.18,18.28 78.38,18.28 78.3,18.2 78.3,18.19 v1(77.65,17.54) 77.71,17.6 79.1,17.6 ; v1(68,25.5) 67.91,25.59 67.91,27.94 ; v1(105.56,41.8) 106.1,42.34 U2702.5 ; U2806.1 72.1,51.5 72.4,51.2 ; 72.4,51.2 70.4,51.2 70.1,51.5 U2806.5
  Bottom w0.2: 67.4,27.9 68,27.3 v1(68,25.5) ; 67.4,27.9 67.4,28 68.2,28.8 69.7,28.8 v1(70.5,28) ; 67.4,27.9 67.4,25.3 69.8,22.9 69.8,22.1 74.36,17.54 v1(77.65,17.54) ; v1(105.56,41.8) 99.18,41.8 98.1,40.72 98.1,37.5 v1(98.35,37.25)
/MissionBus/SDA: length 133.8
  Top w0.2: 68.41,27.94 68.41,26.14 v1(68.55,26) ; 71.65,54.4 78.85,47.2 82.5,47.2 v1(87.3,42.4) v1(89.1,40.6) 89.71,41.21 ; 71.65,54.4 71.35,54.7 70.8,54.7 70.55,54.45 70.55,52.45 U2806.4 ; 71.65,54.4 71.65,52.45 U2806.2 ; 89.71,41.21 89.9,41.4 90.6,41.4 91.21,42.01 U2402.4 ; 89.71,41.21 U2402.1 ; U2702.4 105.6,44.4 105.1,44.9 104.3,44.9 103.9,44.5 ; U2803.4 73,25.79 v1(73.12,25.67) ; 103.9,44.5 103.4,44.5 102.9,44 v1(102.9,43.9) ; 103.9,44.5 103.9,43.3 U2702.1 ; U3001.3 97.42,36.12 v1(97.8,36.5) ; R2307.2 77.74,18.9 v1(77.65,18.81) 78.82,18.81 80.51,20.5 81.88,20.5 82.75,21.38 82.75,21.85 86.25,21.85 88.9,24.5 88.9,29.25 v1(89.25,29.6) ; v1(84.9,40.7) 84.28,40.08 84.28,36.2 85.11,35.36 ; v1(90.35,33) 90.35,33.03 U3102.16
  Bottom w0.2: 88.7,31.35 88.4,31.05 88.4,30.45 v1(89.25,29.6) 90.58,29.6 90.98,30 95.08,30 95.45,30.37 95.52,30.37 97.8,32.65 v1(97.8,36.5) 96.8,37.5 96.8,41 99.7,43.9 v1(102.9,43.9) ; 88.7,31.35 88.1,31.95 88.1,39.6 v1(89.1,40.6) ; 88.7,31.35 v1(90.35,33) ; v1(77.65,18.81) 77.14,18.3 75,18.3 73.1,20.2 73.1,22.41 ; 73.1,22.41 72.09,22.41 68.55,25.95 v1(68.55,26) ; 73.1,22.41 73.1,25.66 v1(73.12,25.67) ; v1(84.9,40.7) 86.6,42.4 v1(87.3,42.4)